# Altium PCB AX7103-2021-0629.PcbDoc (part 2 of 7)
Units mil, origin at the board's own origin, x right, y up, seen from the top; angles counter-clockwise.
Board outline 7406.51 x 4363.82 mil, 6 copper layers (TOP, SGND, IN1, IN2, SGND1, BOTTOM), stack 47.2 mil thick; 347 components, 454 nets, 1784 pads, 724 vias.
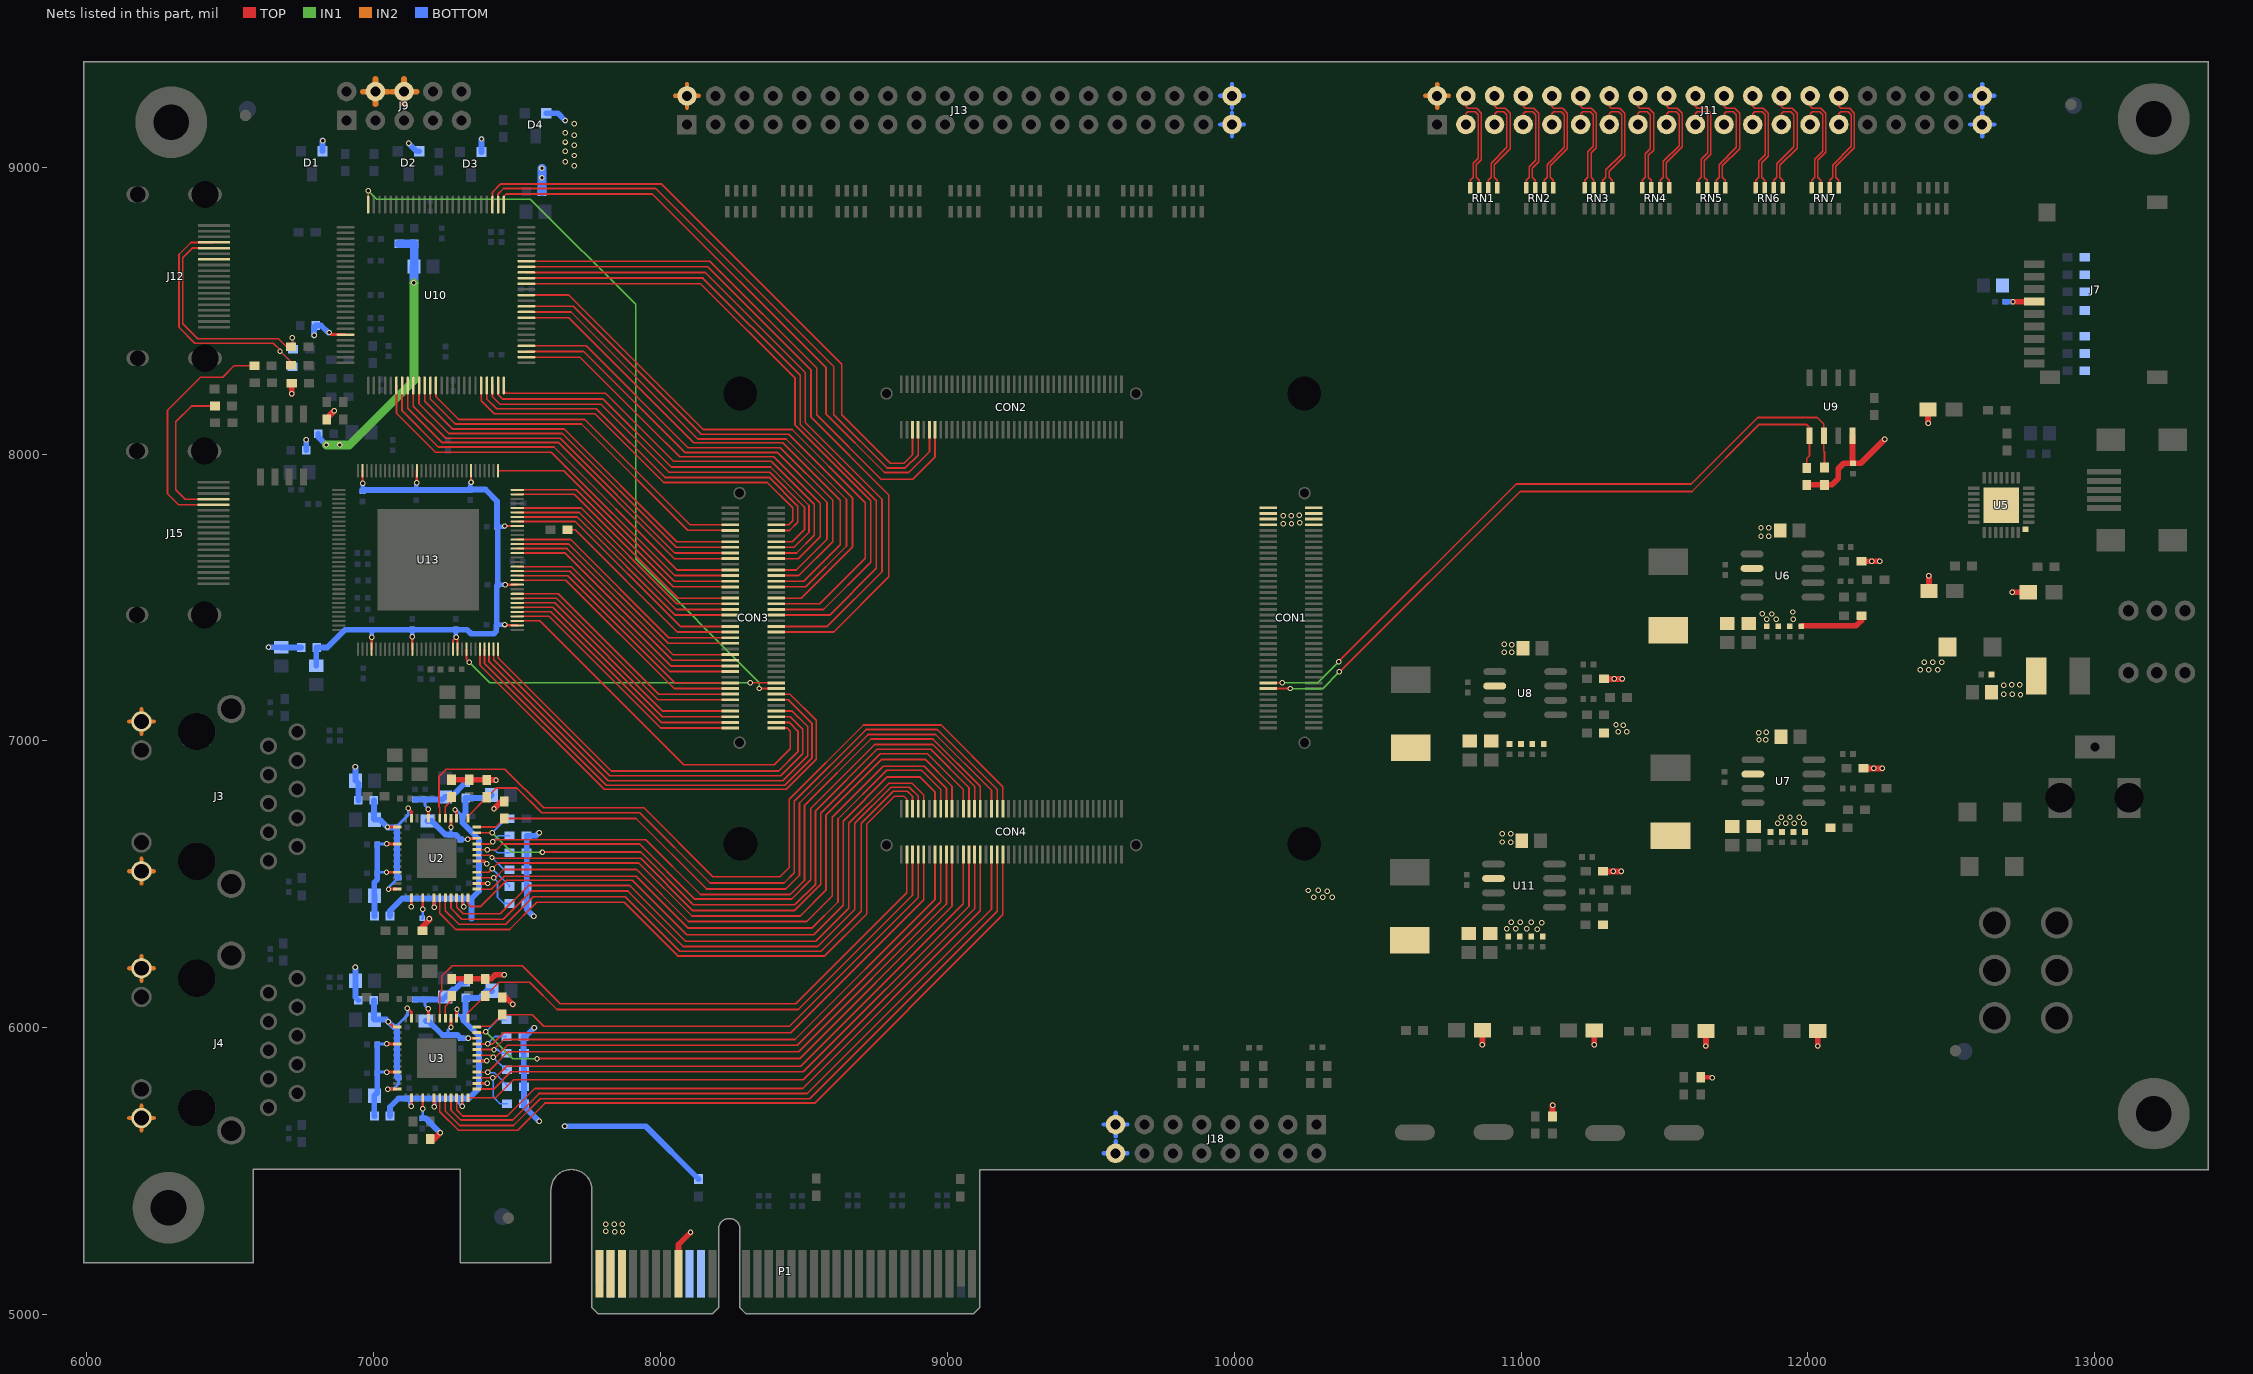
[diagram p6: the nets of this part, all layers, seen from the top]

## Via types
v1: diameter 19, hole 12, TOP to BOTTOM, 688 vias
v2: diameter 16, hole 8, TOP to BOTTOM, 36 vias

## Nets (pads, with @x,y where several pads share a name; then routed paths per layer and width w, separated by ;. In a path a pad name is that pad's centre, name@x,y a point inside that pad or via, vN(x,y) a via of type N, cw(c..) or ccw(c..) an arc to the next point about the centre after c; other vN are vias at no path point) (continued)
3V3_DVCC: C163.1 C164.1 C165.1 C166.1 C167.1 C168.1 C169.1 C170.1 C171.1 C185.1 L17.2 U13.7 U13.19 U13.31 U13.68 U13.77 U13.86 U13.87 U13.98 U13.107 U13.120 | length 2346.4
  TOP w8: v1(6962.03,7899.19) U13.31@6962.03,7942.34 ; U13.68@6993.53,7320.3 v1(6993.53,7361.19) ; U13.77@7135.26,7320.3 v1(7135.26,7362.92) ; v1(7151.01,7900.75) U13.19@7151.01,7942.34 ; U13.86@7276.99,7320.3 7276.99,7351.15 v1(7287.8,7361.96) 7292.74,7357.02 U13.87@7292.74,7320.3 ; v1(7339.99,7902.46) U13.7@7339.99,7942.34 ; v1(7457.77,7749.43) U13.120@7501.4,7749.43 ; v1(7458.3,7405.96) 7461.29,7402.97 U13.98@7501.4,7402.97 ; v1(7460.05,7544.71) U13.107@7501.4,7544.71
  BOTTOM w15: C170.1@6962.04,7870.85 v1(6962.03,7899.19) ; v1(6993.53,7361.19) 6994.04,7361.7 C163.1@6994.04,7387.85 ; v1(7135.26,7362.92) 7135.54,7363.2 C171.1@7135.54,7388.85 ; C165.1@7149.04,7874.85 7149.04,7898.78 v1(7151.01,7900.75) ; C166.1@7286.54,7388.85 7286.54,7363.22 v1(7287.8,7361.96) ; C169.1@7337.04,7876.35 7337.04,7899.51 v1(7339.99,7902.46) ; C164.1@7429.54,7404.85 7457.19,7404.85 v1(7458.3,7405.96) ; C167.1@7430.54,7746.35 7454.69,7746.35 v1(7457.77,7749.43) ; C168.1@7433.04,7544.35 7459.69,7544.35 v1(7460.05,7544.71)
  BOTTOM w20: C185.1@6800.04,7262.35 6800.04,7324.35 L17.2@6801.54,7325.85 6839.04,7325.85 6901.15,7387.96 6993.93,7387.96 C163.1@6994.04,7387.85 6994.15,7387.96 7134.65,7387.96 C171.1@7135.54,7388.85 7136.43,7387.96 7285.65,7387.96 C166.1@7286.54,7388.85 7287.43,7387.96 7326.3,7387.96 7340.45,7373.81 7419.15,7373.81 7428.3,7382.96 7428.3,7403.61 C164.1@7429.54,7404.85 7429.54,7540.85 C168.1@7433.04,7544.35 7433.04,7613.06 7432.8,7613.3 7432.8,7633.6 7433.04,7633.84 7433.04,7743.85 C167.1@7430.54,7746.35 7430.54,7835.85 7390.04,7876.35 C169.1@7337.04,7876.35 7335.54,7874.85 C165.1@7149.04,7874.85 6966.04,7874.85 C170.1@6962.04,7870.85
9013_CLK: CON3.36 R137.1 | length 714.8
  TOP w6: R137.1@7676.54,7736.21 7702.68,7736.21 8059.11,7379.78 CON3.36@8243.68,7379.78
9013_D0: CON3.46 U13.124 | length 880.7
  TOP w6: U13.124@7501.4,7812.42 7723.29,7812.42 8057.51,7478.2 CON3.46@8243.68,7478.2
9013_D1: CON3.44 U13.123 | length 882.3
  TOP w6: U13.123@7501.4,7796.67 7716.76,7796.67 8054.91,7458.52 CON3.44@8243.68,7458.52
9013_D2: CON3.42 U13.122 | length 884
  TOP w6: U13.122@7501.4,7780.93 7710.24,7780.93 8052.34,7438.83 CON3.42@8243.68,7438.83
9013_D3: CON3.38 U13.121 | length 893.8
  TOP w6: U13.121@7501.4,7765.18 7703.71,7765.18 8069.43,7399.46 CON3.38@8243.68,7399.46
9013_D4: CON3.34 U13.117 | length 884
  TOP w6: U13.117@7501.4,7702.19 7687.54,7702.19 8029.64,7360.09 CON3.34@8243.68,7360.09
9013_D5: CON3.32 U13.116 | length 885.6
  TOP w6: U13.116@7501.4,7686.44 7681.01,7686.44 8027.04,7340.41 CON3.32@8243.68,7340.41
9013_D6: CON3.28 U13.115 | length 895.4
  TOP w6: U13.115@7501.4,7670.69 7674.48,7670.69 8044.13,7301.04 CON3.28@8243.68,7301.04
9013_D7: CON3.26 U13.114 | length 897
  TOP w6: U13.114@7501.4,7654.94 7667.95,7654.94 8041.54,7281.35 CON3.26@8243.68,7281.35
9013_D8: CON3.24 U13.111 | length 885.6
  TOP w6: U13.111@7501.4,7607.7 7690.03,7607.7 8036.06,7261.67 CON3.24@8243.68,7261.67
9013_D9: CON3.22 U13.110 | length 887.2
  TOP w6: U13.110@7501.4,7591.95 7683.5,7591.95 8033.47,7241.98 CON3.22@8243.68,7241.98
9013_D10: CON3.18 U13.109 | length 897
  TOP w6: U13.109@7501.4,7576.2 7676.97,7576.2 8050.56,7202.61 CON3.18@8243.68,7202.61
9013_D11: CON3.16 U13.108 | length 898.7
  TOP w6: U13.108@7501.4,7560.45 7670.44,7560.45 8047.96,7182.93 CON3.16@8243.68,7182.93
9013_D12: CON3.14 U13.105 | length 887.2
  TOP w6: U13.105@7501.4,7513.21 7644.34,7513.21 7994.31,7163.24 CON3.14@8243.68,7163.24
9013_D13: CON3.12 U13.104 | length 888.9
  TOP w6: U13.104@7501.4,7497.46 7637.81,7497.46 7991.71,7143.56 CON3.12@8243.68,7143.56
9013_D14: CON3.8 U13.103 | length 898.7
  TOP w6: U13.103@7501.4,7481.71 7631.28,7481.71 8008.8,7104.19 CON3.8@8243.68,7104.19
9013_D15: CON3.6 U13.102 | length 900.3
  TOP w6: U13.102@7501.4,7465.97 7624.76,7465.97 8006.23,7084.5 CON3.6@8243.68,7084.5
9013_D16: CON3.4 U13.101 | length 901.9
  TOP w6: U13.101@7501.4,7450.22 7618.23,7450.22 8003.63,7064.82 CON3.4@8243.68,7064.82
9013_D17: CON3.2 U13.100 | length 903.5
  TOP w6: U13.100@7501.4,7434.47 7611.7,7434.47 8001.04,7045.13 CON3.2@8243.68,7045.13
9013_D18: CON3.1 U13.99 | length 1298.3
  TOP w6: U13.99@7501.4,7418.72 7579.17,7418.72 8081.04,6916.85 8397.04,6916.85 8453.04,6972.85 8453.04,7033.85 8441.76,7045.13 CON3.1@8403.12,7045.13
9013_D19: CON3.3 U13.96 | length 1427.8
  TOP w6: U13.96@7434.47,7320.3 7434.47,7289.42 7828.41,6895.48 8412.67,6895.48 8479.41,6962.22 8479.41,7034.48 8449.07,7064.82 CON3.3@8403.12,7064.82
9013_D20: CON3.5 U13.95 | length 1511.1
  TOP w6: U13.95@7418.73,7320.3 7418.73,7282.9 7823.12,6878.51 8419.7,6878.51 8496.38,6955.19 8496.38,7040.51 8452.39,7084.5 CON3.5@8403.12,7084.5
9013_D21: CON3.7 U13.94 | length 1596.8
  TOP w6: U13.94@7402.98,7320.3 7402.98,7276.37 7817.81,6861.54 8426.73,6861.54 8513.35,6948.16 8513.35,7050.54 8459.7,7104.19 CON3.7@8403.12,7104.19
9013_D22: CON3.11 U13.93 | length 1686
  TOP w6: U13.93@7387.23,7320.3 7387.23,7269.84 7811.08,6845.99 8433.18,6845.99 8528.9,6941.71 8528.9,7059.99 8445.33,7143.56 CON3.11@8403.12,7143.56
9013_D23: CON3.13 U13.92 | length 1763.5
  TOP w6: U13.92@7371.48,7320.3 7371.48,7264.41 7804.04,6831.85 8439.04,6831.85 8543.04,6935.85 8543.04,7071.85 8451.65,7163.24 CON3.13@8403.12,7163.24
9013_DE: CON3.48 U13.127 | length 892.1
  TOP w6: U13.127@7501.4,7859.67 7700.22,7859.67 8062,7497.89 CON3.48@8243.68,7497.89
9013_HS: CON3.52 U13.128 | length 882.3
  TOP w6: U13.128@7501.4,7875.41 7706.74,7875.41 8044.89,7537.26 CON3.52@8243.68,7537.26
9013_NRESET: CON3.17 U13.89 | length 1149.1
  TOP w6: U13.89@7324.24,7320.3 7324.24,7283.65 v1(7334.04,7273.85) ; v1(8313.04,7202.61) CON3.17@8403.12,7202.61
  IN1 w5: v1(7334.04,7273.85) 7405.28,7202.61 v1(8313.04,7202.61)
9013_VS: CON3.54 U13.1 | length 968.8
  TOP w6: U13.1@7434.47,7942.34 7663.55,7942.34 8048.95,7556.94 CON3.54@8243.68,7556.94
9134_CLK: CON3.45 U10.88 | length 2051.6
  TOP w6: U10.88@7532.76,8554.46 7680.43,8554.46 8149.04,8085.85 8459.04,8085.85 8714.04,7830.85 8714.04,7636.85 8555.39,7478.2 CON3.45@8403.12,7478.2
9134_D0: CON2.13 U10.94 | length 1961.3
  TOP w6: U10.94@7532.76,8672.57 8172.72,8672.57 8545.04,8300.25 8545.04,8136.85 8769.04,7912.85 8880.04,7912.85 8957.65,7990.46 CON2.13@8957.65,8084.27
9134_D1: CON3.35 U10.93 | length 2447.1
  TOP w6: U10.93@7532.76,8652.88 8164.56,8652.88 8525.35,8292.09 8525.35,8128.69 8796.35,7857.69 8796.35,7572.16 8603.97,7379.78 CON3.35@8403.12,7379.78
9134_D2: CON3.37 U10.92 | length 2370.1
  TOP w6: U10.92@7532.76,8633.2 8156.4,8633.2 8504.89,8284.71 8504.89,8110.37 8772.41,7842.85 8772.41,7590.22 8581.65,7399.46 CON3.37@8403.12,7399.46
9134_D3: CON3.41 U10.91 | length 2294.8
  TOP w6: U10.91@7532.76,8613.51 8148.24,8613.51 8487.47,8274.28 8487.47,8103.1 8752.72,7837.85 8752.72,7601.53 8590.02,7438.83 CON3.41@8403.12,7438.83
9134_D4: CON3.43 U10.90 | length 2221.9
  TOP w6: U10.90@7532.76,8593.83 8140.08,8593.83 8469.55,8264.36 8469.55,8100.34 8733.04,7836.85 8733.04,7622.85 8568.71,7458.52 CON3.43@8403.12,7458.52
9134_D5: CON3.47 U10.86 | length 1924.5
  TOP w6: U10.86@7532.76,8515.09 7696.46,8515.09 8142.7,8068.85 8447.04,8068.85 8670.04,7845.85 8670.04,7676.85 8491.08,7497.89 CON3.47@8403.12,7497.89
9134_D6: CON3.51 U10.85 | length 1854
  TOP w6: U10.85@7532.76,8495.4 7688.3,8495.4 8130.85,8052.85 8438.04,8052.85 8649.04,7841.85 8649.04,7679.85 8506.45,7537.26 CON3.51@8403.12,7537.26
9134_D7: CON3.53 U10.84 | length 1789.6
  TOP w6: U10.84@7532.76,8475.72 7680.14,8475.72 8116.01,8039.85 8426.04,8039.85 8627.04,7838.85 8627.04,7683.85 8500.13,7556.94 CON3.53@8403.12,7556.94
9134_D8: CON3.55 U10.79 | length 1682.4
  TOP w6: U10.79@7532.76,8377.29 7741.37,8377.29 8096.11,8022.55 8418.34,8022.55 8600.74,7840.15 8600.74,7694.75 8482.62,7576.63 CON3.55@8403.12,7576.63
9134_D9: CON3.57 U10.78 | length 1617.1
  TOP w6: U10.78@7532.76,8357.61 7733.21,8357.61 8084.95,8005.87 8407.02,8005.87 8581.06,7831.83 8581.06,7702.91 8474.46,7596.31 CON3.57@8403.12,7596.31
9134_D10: CON3.61 U10.77 | length 1538.3
  TOP w6: U10.77@7532.76,8337.92 7719.96,8337.92 7975.54,8082.35 8053.4,8004.49 8067.3,7990.59 8395.3,7990.59 8557.78,7828.11 8557.78,7712.56 8480.9,7635.68 CON3.61@8403.12,7635.68
9134_D11: CON3.63 U10.75 | length 1530.9
  TOP w6: U10.75@7454.02,8239.5 7454.02,8220.85 7463.02,8211.85 7808.79,8211.85 8045.79,7974.85 8386.04,7974.85 8536.04,7824.85 8536.04,7717.1 8474.31,7655.37 CON3.63@8403.12,7655.37
9134_D12: CON3.65 U10.74 | length 1505.9
  TOP w6: U10.74@7434.34,8239.5 7434.34,8207.55 7450.04,8191.85 7800.5,8191.85 8037.5,7954.85 8384.04,7954.85 8518.04,7820.85 8518.04,7727.39 8465.7,7675.05 CON3.65@8403.12,7675.05
9134_D13: CON3.67 U10.73 | length 1481.2
  TOP w6: U10.73@7414.65,8239.5 7414.65,8200.24 7441.04,8173.85 7793.04,8173.85 8030.04,7936.85 8381.04,7936.85 8502.04,7815.85 8502.04,7736.85 8459.93,7694.74 CON3.67@8403.12,7694.74
9134_D14: CON3.71 U10.72 | length 1430.2
  TOP w6: U10.72@7394.97,8239.5 7394.97,8191.92 7429.04,8157.85 7777.04,8157.85 8016.04,7918.85 8379.04,7918.85 8479.04,7818.85 8479.04,7762.85 8450.04,7733.85 8403.38,7733.85 CON3.71@8403.12,7734.11
9134_D15: CON3.73 U10.71 | length 1402.2
  TOP w6: U10.71@7375.28,8239.5 7375.28,8186.61 7421.04,8140.85 7772.04,8140.85 8012.04,7900.85 8373.04,7900.85 8461.04,7812.85 8461.04,7767.85 8447.04,7753.85 8403.18,7753.85 CON3.73@8403.12,7753.79
9134_D16: CON3.74 U10.63 | length 1250.2
  TOP w6: U10.63@7217.8,8239.5 7217.8,8200.09 7297.04,8120.85 7736.04,8120.85 8103.1,7753.79 CON3.74@8243.68,7753.79
9134_D17: CON3.72 U10.62 | length 1282.8
  TOP w6: U10.62@7198.12,8239.5 7198.12,8191.93 7285.2,8104.85 7725.04,8104.85 8095.78,7734.11 CON3.72@8243.68,7734.11
9134_D18: CON3.68 U10.61 | length 1323.5
  TOP w6: U10.61@7178.43,8239.5 7178.43,8183.77 7274.35,8087.85 7664.04,8087.85 8057.15,7694.74 CON3.68@8243.68,7694.74
9134_D19: CON3.66 U10.60 | length 1356.2
  TOP w6: U10.60@7158.75,8239.5 7158.75,8175.61 7262.51,8071.85 7658.04,8071.85 8054.84,7675.05 CON3.66@8243.68,7675.05
9134_D20: CON3.64 U10.59 | length 1388.8
  TOP w6: U10.59@7139.06,8239.5 7139.06,8167.45 7251.66,8054.85 7651.04,8054.85 8050.52,7655.37 CON3.64@8243.68,7655.37
9134_D21: CON3.62 U10.58 | length 1421.4
  TOP w6: U10.58@7119.38,8239.5 7119.38,8159.29 7237.82,8040.85 7644.04,8040.85 8049.21,7635.68 CON3.62@8243.68,7635.68
9134_D22: CON3.58 U10.57 | length 1462.2
  TOP w6: U10.57@7099.69,8239.5 7099.69,8151.13 7225.97,8024.85 7629.04,8024.85 8057.58,7596.31 CON3.58@8243.68,7596.31
9134_D23: CON3.56 U10.56 | length 1494.8
  TOP w6: U10.56@7080.01,8239.5 7080.01,8142.97 7216.13,8006.85 7620.04,8006.85 8050.26,7576.63 CON3.56@8243.68,7576.63
9134_DE: CON2.11 U10.1 | length 2119.5
  TOP w6: U10.1@7454.02,8869.42 7454.02,8897.85 7463.02,8906.85 7972.04,8906.85 8577.6,8301.29 8577.6,8139.29 8781.04,7935.85 8866.04,7935.85 8937.97,8007.78 CON2.11@8937.97,8084.27
9134_HS: CON2.7 U10.2 | length 2117.9
  TOP w6: U10.2@7434.34,8869.42 7434.34,8907.15 7453.04,8925.85 7984.04,8925.85 8604.47,8305.42 8604.47,8137.42 8790.04,7951.85 8854.03,7951.85 8898.6,7996.42 CON2.7@8898.6,8084.27
9134_NRESET: CON3.15 U10.25 | length 2720.4
  TOP w6: U10.25@6981.58,8869.42 v1(6981.58,8917.85) ; v1(8345.12,7182.93) CON3.15@8403.12,7182.93
  IN1 w5: v1(6981.58,8917.85) 7010.58,8888.85 7547.04,8888.85 7914.04,8521.85 7914.04,7634.85 8345.12,7203.77 v1(8345.12,7182.93)
9134_VS: CON2.5 U10.3 | length 2124.9
  TOP w6: U10.3@7414.65,8869.42 7414.65,8912.46 7444.04,8941.85 8003.04,8941.85 8632.04,8312.85 8632.04,8136.85 8801.04,7967.85 8849.04,7967.85 8878.91,7997.72 CON2.5@8878.91,8084.27
+1.2V: C210.1 C218.1 C233.1 C234.1 C236.1 C237.1 C238.1 C239.1 C242.1 C244.1 C246.1 C247.1 C248.1 C249.1 C250.1 C263.1 C264.1 C265.1 C266.1 C267.1 L4.1 L5.1 L9.1 L10.1 L20.2 R164.1 U2.14 U2.18 U2.23 U2.26 U2.30 U2.39 U3.14 U3.18 U3.23 U3.26 U3.30 U3.39 | length 2465.2
  TOP w10: v1(7132.39,5726.2) U3.14@7132.39,5755.97 ; v1(7132.39,6422.85) U2.14@7132.39,6452.97 ; v1(7211.13,5724.85) U3.18@7211.13,5755.97 ; v1(7211.13,6420.85) U2.18@7211.13,6452.97 ; v1(7284.04,6760.85) 7289.87,6755.02 U2.39@7289.87,6730.69 ; U3.39@7289.87,6033.69 7289.04,6034.52 7289.04,6062.85 v1(7291.04,6064.85) ; v1(7309.55,5726.36) U3.23@7309.55,5755.97 ; U2.23@7309.55,6452.97 7309.55,6427.34 v1(7314.04,6422.85) ; U3.26@7359.83,5806.25 7360.43,5806.85 v1(7397.04,5806.85) ; U3.30@7359.83,5884.99 v1(7394.9,5884.99) ; U2.26@7359.83,6503.25 v1(7397.64,6503.25) ; U2.30@7359.83,6581.99 7384.9,6581.99 v1(7394.04,6572.85)
  BOTTOM w10: C244.1@7125.04,5753.85 7125.04,5733.55 v1(7132.39,5726.2) ; C246.1@7125.04,6450.85 7132.39,6443.5 v1(7132.39,6422.85) ; v1(7211.13,5724.85) 7215.04,5728.76 C263.1@7215.04,5753.85 ; v1(7211.13,6420.85) 7211.13,6446.94 C242.1@7215.04,6450.85 ; v1(7284.04,6760.85) 7287.04,6760.85 C248.1@7310.04,6737.85 ; v1(7291.04,6064.85) 7291.04,6051.85 7306.04,6036.85 C267.1@7314.04,6036.85 ; C264.1@7295.04,5753.85 7295.04,5739.36 7308.04,5726.36 v1(7309.55,5726.36) ; 7312.04,6450.85 7312.04,6424.85 v1(7314.04,6422.85) ; C266.1@7368.04,5806.85 v1(7397.04,5806.85) ; C265.1@7368.04,5881.85 7371.18,5884.99 v1(7394.9,5884.99) ; C250.1@7368.04,6503.85 7368.64,6503.25 v1(7397.64,6503.25) ; C249.1@7368.04,6578.85 7388.04,6578.85 v1(7394.04,6572.85)
  BOTTOM w20: L9.1@7057.54,5692.85 7057.54,5724.35 7087.04,5753.85 C244.1@7125.04,5753.85 C263.1@7215.04,5753.85 C264.1@7295.04,5753.85 7332.04,5753.85 7368.04,5789.85 C266.1@7368.04,5806.85 C265.1@7368.04,5881.85 7368.04,5971.85 7314.04,6025.85 C267.1@7314.04,6036.85 7321.04,6043.85 L10.1@7321.04,6104.35 7368.54,6104.35 7393.04,6128.85 C218.1@7413.04,6128.85 ; L4.1@7057.54,6389.85 7057.54,6408.35 7100.04,6450.85 C246.1@7125.04,6450.85 C242.1@7215.04,6450.85 7312.04,6450.85 7342.04,6450.85 ; 7342.04,6380.85 7342.04,6450.85 ; C210.1@7412.04,6811.85 7401.54,6801.35 L5.1@7321.04,6801.35 7321.04,6748.85 C248.1@7310.04,6737.85 7310.04,6714.85 7368.04,6656.85 C249.1@7368.04,6578.85 C250.1@7368.04,6503.85 7368.04,6476.85 7342.04,6450.85
  other v1: 11057.04,6343.85 10951.04,6344.85 10982.04,6344.85 11020.04,6344.85 11072.04,6366.85 10966.04,6367.85 10997.04,6367.85 11035.04,6367.85 10277.04,6454.85 10309.04,6454.85 10342.04,6454.85 10325.04,6476.85 10258.04,6478.85 10293.04,6479.85
+1.8V: C76.1 C223.1 C224.1 C226.1 C227.1 C228.1 C229.1 L8.2 L15.2 L16.1 L19.2 R160.1 | length 978.9
  IN1 w30: v1(6835.04,8031.85) v1(6882.04,8031.85) 6916.04,8031.85 7141.04,8256.85 v1(7141.04,8597.85)
  BOTTOM w20: L16.1@6807.54,8070.85 6807.54,8059.35 v1(6835.04,8031.85)
  BOTTOM w30: L15.2@7089.04,8733.35 7141.41,8733.35 L8.2@7141.8,8732.96 7141.8,8654.61 C76.1@7141.04,8653.85 v1(7141.04,8597.85)
  other v1: 11339.04,7032.85 11369.04,7032.85 11357.04,7054.85 11331.04,7055.85
+3.3V: C78.1 C79.1 C80.1 C147.1 C148.1 C149.1 C150.1 C151.1 C152.1 C182.1 C192.1 C193.1 C194.1 C195.1 C197.1 C202.1 C204.1 C205.1 C206.1 C217.1 D1.2 D2.2 D3.2 D4.2 J3.11 J3.14 J4.11 J4.14 J7.4 J9.4 J9.6 J11.39 J11.40 J13.39 J13.40 J18.15 J18.16 L3.1 L6.1 L7.1 L14.2 L17.1 L18.1 LED1.1 LED2.1 LED3.1 LED4.1 LED5.1 LED6.1 LED7.1 R62.2 R63.2 R64.1 R65.1 R67.2 R68.2 R69.1 R72.2 R73.2 R74.2 R75.2 R76.2 R77.2 R80.2 R81.2 R82.1 R86.2 R87.2 R88.2 R89.2 R90.2 R91.2 R94.2 R95.2 R103.1 R104.2 R105.2 R106.2 R107.2 R111.2 R112.2 R113.2 R131.2 R143.1 R159.2 U2.16 U2.34 U2.40 U3.16 U3.34 U3.40 U9.8 | length 6281.8
  TOP w10: v1(7171.76,5717.57) U3.16@7171.76,5755.97 ; v1(7171.76,6413.13) U2.16@7171.76,6452.97 ; v1(7270.18,6002.85) U3.40@7270.18,6033.69 ; v1(7270.18,6699.85) U2.40@7270.18,6730.69 ; v1(7329.04,6656.85) 7332.92,6660.73 U2.34@7359.83,6660.73 ; v1(7330.04,5963.73) U3.34@7359.83,5963.73
  TOP w15: R159.2@11625.9,5827.85 11665.04,5827.85 v1(11666.04,5826.85)
  TOP w20: v1(6715.04,8209.85) R62.2@6715.04,8246.71 ; R63.2@6837.18,8120.85 6837.18,8124.99 v1(6863.04,8150.85) ; R77.2@7170.04,6338.71 7170.04,6351.85 7195.04,6376.85 v1(7195.04,6380.85) ; R91.2@7198.18,5612.85 7212.04,5612.85 v1(7233.04,5633.85) ; R72.2@7271.9,6864.85 7393.9,6864.85 R68.2@7394.9,6863.85 v1(7427.04,6863.85) ; R86.2@7272.9,6170.85 7410.04,6170.85 7424.19,6185 v1(7455.89,6185) ; v1(7420.04,6763.85) 7446.04,6789.85 R67.2@7455.9,6789.85 ; R95.2@7448.9,6105.85 7462.04,6105.85 v1(7486.04,6081.85) ; v1(10865.54,5941.35) LED1.1@10865.54,5991.85 ; R131.2@11109.9,5691.84 v1(11109.9,5730.85) ; v1(11255.54,5941.85) LED2.1@11255.54,5990.85 ; v1(11644.54,5936.85) LED6.1@11644.54,5988.85 ; R65.1@11995.9,7891.85 11996.9,7892.85 12084.04,7892.85 12106.04,7914.85 12106.04,7948.85 12125.04,7967.85 C78.1@12157.04,7967.85 ; v1(12034.54,5936.85) LED7.1@12034.54,5988.85 ; U9.8@12155.71,8063.49 12155.71,7969.18 C78.1@12157.04,7967.85 ; v1(12268.04,8051.85) 12184.04,7967.85 C78.1@12157.04,7967.85 ; v1(12418.81,8107.62) LED3.1@12418.81,8155.33 ; LED4.1@12421.81,7522.73 v1(12421.81,7576.08) ; v1(12712.04,7518.44) LED5.1@12767.88,7518.44 ; v1(12715.04,8530.85) 12787.77,8530.85 J7.4@12788.65,8531.73
  IN2 w15: 6148.16,5686.07 J4.14@6191.12,5686.07 ; 6148.16,6207.72 J4.11@6191.12,6207.72 ; 6148.16,6546.07 J3.14@6191.12,6546.07 ; 6148.16,7067.72 J3.11@6191.12,7067.72 ; 6191.12,5643.11 J4.14@6191.12,5686.07 ; 6191.12,5729.03 J4.14@6191.12,5686.07 ; 6191.12,6164.76 J4.11@6191.12,6207.72 ; 6191.12,6250.68 J4.11@6191.12,6207.72 ; 6191.12,6503.11 J3.14@6191.12,6546.07 ; 6191.12,6589.03 J3.14@6191.12,6546.07 ; 6191.12,7024.76 J3.11@6191.12,7067.72 ; 6191.12,7110.68 J3.11@6191.12,7067.72 ; 6234.08,5686.07 J4.14@6191.12,5686.07 ; 6234.08,6207.72 J4.11@6191.12,6207.72 ; 6234.08,6546.07 J3.14@6191.12,6546.07 ; 6234.08,7067.72 J3.11@6191.12,7067.72
  IN2 w20: 6962.62,9263.48 J9.4@7006.68,9263.48 ; 7006.68,9219.42 J9.4@7006.68,9263.48 ; 7006.68,9307.54 J9.4@7006.68,9263.48 ; 7050.74,9263.48 J9.4@7006.68,9263.48 ; 7062.62,9263.48 J9.6@7106.68,9263.48 ; 7106.68,9219.42 J9.6@7106.68,9263.48 ; 7106.68,9307.54 J9.6@7106.68,9263.48 ; 7150.74,9263.48 J9.6@7106.68,9263.48